# Altium PCB PCB4.PcbDoc (part 2 of 12)
Units mil, origin at the board's own origin, x right, y up, seen from the top; angles counter-clockwise.
Board outline 9204.7 x 4350.39 mil, 4 copper layers (Top Layer, Layer 1, Layer 2, Bottom Layer), stack 23.756 mil thick; 1824 components, 1732 nets, 6090 pads, 1022 vias.
Unrouted connection lines stored in the file: 2463.
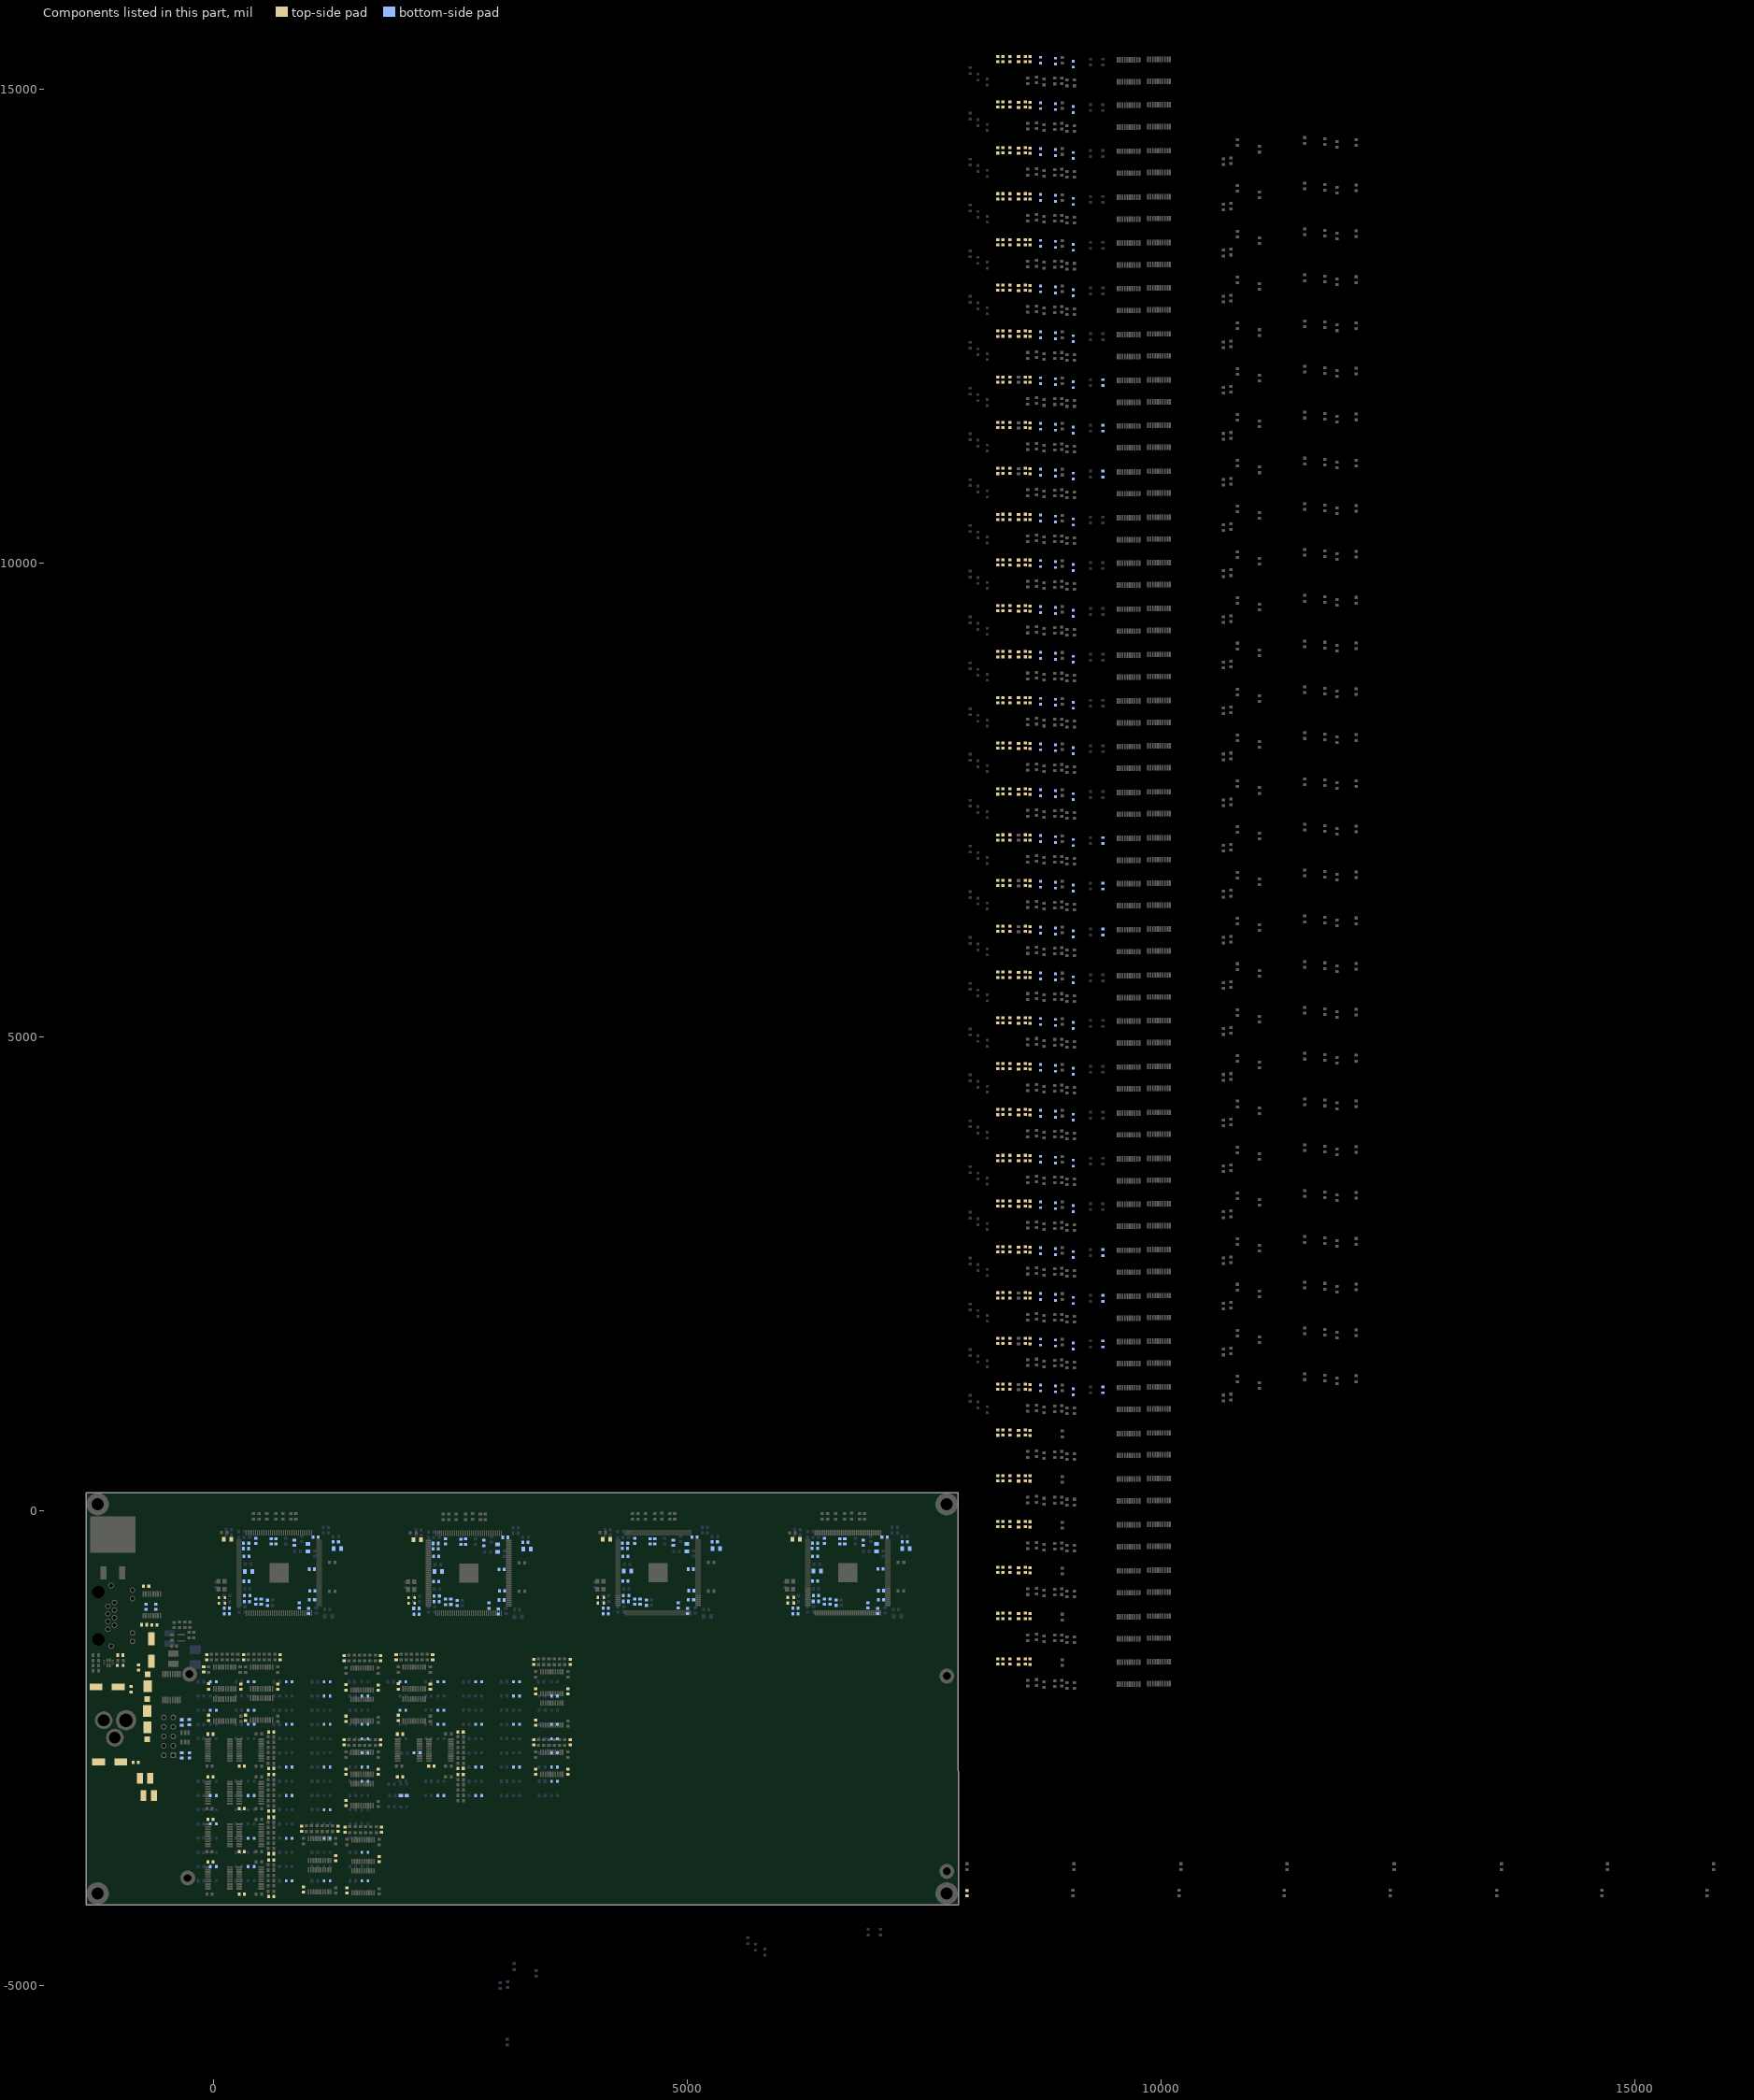
[diagram p4: the components of this part, seen from the top]

## Components (designator, comment, footprint, x,y, rotation, side; value= is the part's Value field where it differs from the comment) (continued)
C28_U_LED_BUFFER42 "0.1uF/16V" 0603C 8496.74,2758.56 r90 top (schematic designator C28)
C28_U_LED_BUFFER43 "0.1uF/16V" 0603C 8496.74,7589.26 r90 top (schematic designator C28)
C28_U_LED_BUFFER44 "0.1uF/16V" 0603C 8496.74,12419.96 r90 top (schematic designator C28)
C28_U_LED_BUFFER51 "0.1uF/16V" 0603C 8496.74,-1587.89 r90 top (schematic designator C28)
C28_U_LED_BUFFER52 "0.1uF/16V" 0603C 8496.74,3242.81 r90 top (schematic designator C28)
C28_U_LED_BUFFER53 "0.1uF/16V" 0603C 8496.74,8073.51 r90 top (schematic designator C28)
C28_U_LED_BUFFER54 "0.1uF/16V" 0603C 8496.74,12904.21 r90 top (schematic designator C28)
C28_U_LED_BUFFER61 "0.1uF/16V" 0603C 8496.74,-1107.58 r90 top (schematic designator C28)
C28_U_LED_BUFFER62 "0.1uF/16V" 0603C 8496.74,3723.12 r90 top (schematic designator C28)
C28_U_LED_BUFFER63 "0.1uF/16V" 0603C 8496.74,8553.82 r90 top (schematic designator C28)
C28_U_LED_BUFFER64 "0.1uF/16V" 0603C 8496.74,13384.52 r90 top (schematic designator C28)
C28_U_LED_BUFFER71 "0.1uF/16V" 0603C 8496.74,-623.32 r90 top (schematic designator C28)
C28_U_LED_BUFFER72 "0.1uF/16V" 0603C 8496.74,4207.38 r90 top (schematic designator C28)
C28_U_LED_BUFFER73 "0.1uF/16V" 0603C 8496.74,9038.07 r90 top (schematic designator C28)
C28_U_LED_BUFFER74 "0.1uF/16V" 0603C 8496.74,13868.77 r90 top (schematic designator C28)
C28_U_LED_BUFFER81 "0.1uF/16V" 0603C 8496.74,-139.07 r90 top (schematic designator C28)
C28_U_LED_BUFFER82 "0.1uF/16V" 0603C 8496.74,4691.63 r90 top (schematic designator C28)
C28_U_LED_BUFFER83 "0.1uF/16V" 0603C 8496.74,9522.32 r90 top (schematic designator C28)
C28_U_LED_BUFFER84 "0.1uF/16V" 0603C 8496.74,14353.02 r90 top (schematic designator C28)
C28_U_LED_BUFFER91 "0.1uF/16V" 0603C 8496.74,345.18 r90 top (schematic designator C28)
C28_U_LED_BUFFER92 "0.1uF/16V" 0603C 8496.74,5175.88 r90 top (schematic designator C28)
C28_U_LED_BUFFER93 "0.1uF/16V" 0603C 8496.74,10006.58 r90 top (schematic designator C28)
C28_U_LED_BUFFER94 "0.1uF/16V" 0603C 8496.74,14837.27 r90 top (schematic designator C28)
C28_U_LED_BUFFER101 "0.1uF/16V" 0603C 8496.74,825.49 r90 top (schematic designator C28)
C28_U_LED_BUFFER102 "0.1uF/16V" 0603C 8496.74,5656.19 r90 top (schematic designator C28)
C28_U_LED_BUFFER103 "0.1uF/16V" 0603C 8496.74,10486.89 r90 top (schematic designator C28)
C28_U_LED_BUFFER104 "0.1uF/16V" 0603C 8496.74,15317.59 r90 top (schematic designator C28)
C29 "22uF/25V" 1210C -681.5,-3000.6 r180 top
C30 "22uF/25V" 1210C -719.94,-2818.6 r180 top
C31_U_LED_BUFFER11 "0.1uF/16V" 0603C -101.36,-1670 r270 top (schematic designator C31)
C31_U_LED_BUFFER11_1 "0.1uF/16V" 0603C 2314.44,-1540 r270 top (schematic designator C31)
C31_U_LED_BUFFER12 "0.1uF/16V" 0603C 8569.32,1312.57 r90 top (schematic designator C31)
C31_U_LED_BUFFER13 "0.1uF/16V" 0603C 8569.32,6143.27 r90 top (schematic designator C31)
C31_U_LED_BUFFER14 "0.1uF/16V" 0603C 8569.32,10973.96 r90 top (schematic designator C31)
C31_U_LED_BUFFER21 "0.1uF/16V" 0603C 1764.44,-1550 r270 top (schematic designator C31)
C31_U_LED_BUFFER21_1 "0.1uF/16V" 0603C 3764.44,-1590 r270 top (schematic designator C31)
C31_U_LED_BUFFER22 "0.1uF/16V" 0603C 8569.32,1796.82 r90 top (schematic designator C31)
C31_U_LED_BUFFER23 "0.1uF/16V" 0603C 8569.32,6627.52 r90 top (schematic designator C31)
C31_U_LED_BUFFER24 "0.1uF/16V" 0603C 8569.32,11458.22 r90 top (schematic designator C31)
C31_U_LED_BUFFER31 "0.1uF/16V" 0603C 610,-2714.44 r180 top (schematic designator C31)
C31_U_LED_BUFFER31_1 "0.1uF/16V" 0603C 610,-3164.44 r180 top (schematic designator C31)
C31_U_LED_BUFFER31_2 "0.1uF/16V" 0603C 610,-3614.44 r180 top (schematic designator C31)
C31_U_LED_BUFFER31_3 "0.1uF/16V" 0603C 610,-4064.44 r180 top (schematic designator C31)
C31_U_LED_BUFFER31_4 "0.1uF/16V" 0603C 1774.44,-3360 r270 top (schematic designator C31)
C31_U_LED_BUFFER31_4_1 "0.1uF/16V" 0603C 1314.44,-3350 r270 top (schematic designator C31)
C31_U_LED_BUFFER31_4_2 "0.1uF/16V" 0603C 704.44,-1540 r270 top (schematic designator C31)
C31_U_LED_BUFFER31_6 "0.1uF/16V" 0603C 2610,-2714.44 r180 top (schematic designator C31)
C31_U_LED_BUFFER32 "0.1uF/16V" 0603C 8569.32,2277.13 r90 top (schematic designator C31)
C31_U_LED_BUFFER33 "0.1uF/16V" 0603C 8569.32,7107.83 r90 top (schematic designator C31)
C31_U_LED_BUFFER34 "0.1uF/16V" 0603C 8569.32,11938.53 r90 top (schematic designator C31)
C31_U_LED_BUFFER41 "0.1uF/16V" 0603C 1764.44,-2440 r270 top (schematic designator C31)
C31_U_LED_BUFFER41_1 "0.1uF/16V" 0603C 3764.44,-2440 r270 top (schematic designator C31)
C31_U_LED_BUFFER42 "0.1uF/16V" 0603C 8569.32,2761.38 r90 top (schematic designator C31)
C31_U_LED_BUFFER43 "0.1uF/16V" 0603C 8569.32,7592.08 r90 top (schematic designator C31)
C31_U_LED_BUFFER44 "0.1uF/16V" 0603C 8569.32,12422.78 r90 top (schematic designator C31)
C31_U_LED_BUFFER51 "0.1uF/16V" 0603C 8569.32,-1585.07 r90 top (schematic designator C31)
C31_U_LED_BUFFER52 "0.1uF/16V" 0603C 8569.32,3245.63 r90 top (schematic designator C31)
C31_U_LED_BUFFER53 "0.1uF/16V" 0603C 8569.32,8076.33 r90 top (schematic designator C31)
C31_U_LED_BUFFER54 "0.1uF/16V" 0603C 8569.32,12907.03 r90 top (schematic designator C31)
C31_U_LED_BUFFER61 "0.1uF/16V" 0603C 8569.32,-1104.75 r90 top (schematic designator C31)
C31_U_LED_BUFFER62 "0.1uF/16V" 0603C 8569.32,3725.95 r90 top (schematic designator C31)
C31_U_LED_BUFFER63 "0.1uF/16V" 0603C 8569.32,8556.65 r90 top (schematic designator C31)
C31_U_LED_BUFFER64 "0.1uF/16V" 0603C 8569.32,13387.35 r90 top (schematic designator C31)
C31_U_LED_BUFFER71 "0.1uF/16V" 0603C 8569.32,-620.5 r90 top (schematic designator C31)
C31_U_LED_BUFFER72 "0.1uF/16V" 0603C 8569.32,4210.2 r90 top (schematic designator C31)
C31_U_LED_BUFFER73 "0.1uF/16V" 0603C 8569.32,9040.9 r90 top (schematic designator C31)
C31_U_LED_BUFFER74 "0.1uF/16V" 0603C 8569.32,13871.6 r90 top (schematic designator C31)
C31_U_LED_BUFFER81 "0.1uF/16V" 0603C 8569.32,-136.25 r90 top (schematic designator C31)
C31_U_LED_BUFFER82 "0.1uF/16V" 0603C 8569.32,4694.45 r90 top (schematic designator C31)
C31_U_LED_BUFFER83 "0.1uF/16V" 0603C 8569.32,9525.15 r90 top (schematic designator C31)
C31_U_LED_BUFFER84 "0.1uF/16V" 0603C 8569.32,14355.85 r90 top (schematic designator C31)
C31_U_LED_BUFFER91 "0.1uF/16V" 0603C 8569.32,348 r90 top (schematic designator C31)
C31_U_LED_BUFFER92 "0.1uF/16V" 0603C 8569.32,5178.7 r90 top (schematic designator C31)
C31_U_LED_BUFFER93 "0.1uF/16V" 0603C 8569.32,10009.4 r90 top (schematic designator C31)
C31_U_LED_BUFFER94 "0.1uF/16V" 0603C 8569.32,14840.1 r90 top (schematic designator C31)
C31_U_LED_BUFFER101 "0.1uF/16V" 0603C 8569.32,828.32 r90 top (schematic designator C31)
C31_U_LED_BUFFER102 "0.1uF/16V" 0603C 8569.32,5659.01 r90 top (schematic designator C31)
C31_U_LED_BUFFER103 "0.1uF/16V" 0603C 8569.32,10489.71 r90 top (schematic designator C31)
C31_U_LED_BUFFER104 "0.1uF/16V" 0603C 8569.32,15320.41 r90 top (schematic designator C31)
C32_U_LED_BUFFER11 "0.1uF/16V" 0603C -48.36,-1849.25 r270 top (schematic designator C32)
C32_U_LED_BUFFER11_1 "0.1uF/16V" 0603C 1951.64,-1849.25 r270 top (schematic designator C32)
C32_U_LED_BUFFER12 "0.1uF/16V" 0603C 8616.74,1309.74 r90 top (schematic designator C32)
C32_U_LED_BUFFER13 "0.1uF/16V" 0603C 8616.74,6140.44 r90 top (schematic designator C32)
C32_U_LED_BUFFER14 "0.1uF/16V" 0603C 8616.74,10971.14 r90 top (schematic designator C32)
C32_U_LED_BUFFER21 "0.1uF/16V" 0603C 1401.64,-1859.25 r270 top (schematic designator C32)
C32_U_LED_BUFFER21_1 "0.1uF/16V" 0603C 3401.64,-1899.25 r270 top (schematic designator C32)
C32_U_LED_BUFFER22 "0.1uF/16V" 0603C 8616.74,1793.99 r90 top (schematic designator C32)
C32_U_LED_BUFFER23 "0.1uF/16V" 0603C 8616.74,6624.69 r90 top (schematic designator C32)
C32_U_LED_BUFFER24 "0.1uF/16V" 0603C 8616.74,11455.39 r90 top (schematic designator C32)
C32_U_LED_BUFFER31 "0.1uF/16V" 0603C 7950,-4030 r90 top (schematic designator C32)
C32_U_LED_BUFFER32 "0.1uF/16V" 0603C 8616.74,2274.31 r90 top (schematic designator C32)
C32_U_LED_BUFFER33 "0.1uF/16V" 0603C 8616.74,7105.01 r90 top (schematic designator C32)
C32_U_LED_BUFFER34 "0.1uF/16V" 0603C 8616.74,11935.71 r90 top (schematic designator C32)
C32_U_LED_BUFFER41 "0.1uF/16V" 0603C 1401.64,-2749.25 r270 top (schematic designator C32)
C32_U_LED_BUFFER41_1 "0.1uF/16V" 0603C 3401.64,-2749.25 r270 top (schematic designator C32)
C32_U_LED_BUFFER42 "0.1uF/16V" 0603C 8616.74,2758.56 r90 top (schematic designator C32)
C32_U_LED_BUFFER43 "0.1uF/16V" 0603C 8616.74,7589.26 r90 top (schematic designator C32)
C32_U_LED_BUFFER44 "0.1uF/16V" 0603C 8616.74,12419.96 r90 top (schematic designator C32)
C32_U_LED_BUFFER51 "0.1uF/16V" 0603C 8616.74,-1587.89 r90 top (schematic designator C32)
C32_U_LED_BUFFER52 "0.1uF/16V" 0603C 8616.74,3242.81 r90 top (schematic designator C32)
C32_U_LED_BUFFER53 "0.1uF/16V" 0603C 8616.74,8073.51 r90 top (schematic designator C32)
C32_U_LED_BUFFER54 "0.1uF/16V" 0603C 8616.74,12904.21 r90 top (schematic designator C32)
C32_U_LED_BUFFER61 "0.1uF/16V" 0603C 8616.74,-1107.58 r90 top (schematic designator C32)
C32_U_LED_BUFFER62 "0.1uF/16V" 0603C 8616.74,3723.12 r90 top (schematic designator C32)
C32_U_LED_BUFFER63 "0.1uF/16V" 0603C 8616.74,8553.82 r90 top (schematic designator C32)
C32_U_LED_BUFFER64 "0.1uF/16V" 0603C 8616.74,13384.52 r90 top (schematic designator C32)
C32_U_LED_BUFFER71 "0.1uF/16V" 0603C 8616.74,-623.32 r90 top (schematic designator C32)
C32_U_LED_BUFFER72 "0.1uF/16V" 0603C 8616.74,4207.38 r90 top (schematic designator C32)
C32_U_LED_BUFFER73 "0.1uF/16V" 0603C 8616.74,9038.07 r90 top (schematic designator C32)
C32_U_LED_BUFFER74 "0.1uF/16V" 0603C 8616.74,13868.77 r90 top (schematic designator C32)
C32_U_LED_BUFFER81 "0.1uF/16V" 0603C 8616.74,-139.07 r90 top (schematic designator C32)
C32_U_LED_BUFFER82 "0.1uF/16V" 0603C 8616.74,4691.63 r90 top (schematic designator C32)
C32_U_LED_BUFFER83 "0.1uF/16V" 0603C 8616.74,9522.32 r90 top (schematic designator C32)
C32_U_LED_BUFFER84 "0.1uF/16V" 0603C 8616.74,14353.02 r90 top (schematic designator C32)
C32_U_LED_BUFFER91 "0.1uF/16V" 0603C 8616.74,345.18 r90 top (schematic designator C32)
C32_U_LED_BUFFER92 "0.1uF/16V" 0603C 8616.74,5175.88 r90 top (schematic designator C32)
C32_U_LED_BUFFER93 "0.1uF/16V" 0603C 8616.74,10006.58 r90 top (schematic designator C32)
C32_U_LED_BUFFER94 "0.1uF/16V" 0603C 8616.74,14837.27 r90 top (schematic designator C32)
C32_U_LED_BUFFER101 "0.1uF/16V" 0603C 8616.74,825.49 r90 top (schematic designator C32)
C32_U_LED_BUFFER102 "0.1uF/16V" 0603C 8616.74,5656.19 r90 top (schematic designator C32)
C32_U_LED_BUFFER103 "0.1uF/16V" 0603C 8616.74,10486.89 r90 top (schematic designator C32)
C32_U_LED_BUFFER104 "0.1uF/16V" 0603C 8616.74,15317.59 r90 top (schematic designator C32)
C33_U_LED_BUFFER11 "1uF/16V" 0603C -70,-1540 r270 top (schematic designator C33)
C33_U_LED_BUFFER11_1 "1uF/16V" 0603C 1930,-1540 r270 top (schematic designator C33)
C33_U_LED_BUFFER12 "1uF/16V" 0603C 8330.11,1312.57 r90 top (schematic designator C33)
C33_U_LED_BUFFER13 "1uF/16V" 0603C 8330.11,6143.27 r90 top (schematic designator C33)
C33_U_LED_BUFFER14 "1uF/16V" 0603C 8330.11,10973.96 r90 top (schematic designator C33)
C33_U_LED_BUFFER21 "1uF/16V" 0603C 1380,-1550 r270 top (schematic designator C33)
C33_U_LED_BUFFER21_1 "1uF/16V" 0603C 3380,-1590 r270 top (schematic designator C33)
C33_U_LED_BUFFER22 "1uF/16V" 0603C 8330.11,1796.82 r90 top (schematic designator C33)
C33_U_LED_BUFFER23 "1uF/16V" 0603C 8330.11,6627.52 r90 top (schematic designator C33)
C33_U_LED_BUFFER24 "1uF/16V" 0603C 8330.11,11458.22 r90 top (schematic designator C33)
C33_U_LED_BUFFER31 "1uF/16V" 0603C 610,-2330 r180 top (schematic designator C33)
C33_U_LED_BUFFER31_1 "1uF/16V" 0603C 610,-2780 r180 top (schematic designator C33)
C33_U_LED_BUFFER31_1_1 "1uF/16V" 0603C 2610,-2780 r180 top (schematic designator C33)
C33_U_LED_BUFFER31_2 "1uF/16V" 0603C 610,-3230 r180 top (schematic designator C33)
C33_U_LED_BUFFER31_3 "1uF/16V" 0603C 610,-3680 r180 top (schematic designator C33)
C33_U_LED_BUFFER31_4 "1uF/16V" 0603C 1390,-3360 r270 top (schematic designator C33)
C33_U_LED_BUFFER31_4_1 "1uF/16V" 0603C 930,-3350 r270 top (schematic designator C33)
C33_U_LED_BUFFER31_4_2 "1uF/16V" 0603C 320,-1540 r270 top (schematic designator C33)
C33_U_LED_BUFFER31_6 "1uF/16V" 0603C 2610,-2330 r180 top (schematic designator C33)
C33_U_LED_BUFFER32 "1uF/16V" 0603C 8330.11,2277.13 r90 top (schematic designator C33)
C33_U_LED_BUFFER33 "1uF/16V" 0603C 8330.11,7107.83 r90 top (schematic designator C33)
C33_U_LED_BUFFER34 "1uF/16V" 0603C 8330.11,11938.53 r90 top (schematic designator C33)
C33_U_LED_BUFFER41 "1uF/16V" 0603C 1380,-2440 r270 top (schematic designator C33)
C33_U_LED_BUFFER41_1 "1uF/16V" 0603C 3380,-2440 r270 top (schematic designator C33)
C33_U_LED_BUFFER42 "1uF/16V" 0603C 8330.11,2761.38 r90 top (schematic designator C33)
C33_U_LED_BUFFER43 "1uF/16V" 0603C 8330.11,7592.08 r90 top (schematic designator C33)
C33_U_LED_BUFFER44 "1uF/16V" 0603C 8330.11,12422.78 r90 top (schematic designator C33)
C33_U_LED_BUFFER51 "1uF/16V" 0603C 8330.11,-1585.07 r90 top (schematic designator C33)
C33_U_LED_BUFFER52 "1uF/16V" 0603C 8330.11,3245.63 r90 top (schematic designator C33)
C33_U_LED_BUFFER53 "1uF/16V" 0603C 8330.11,8076.33 r90 top (schematic designator C33)
C33_U_LED_BUFFER54 "1uF/16V" 0603C 8330.11,12907.03 r90 top (schematic designator C33)
C33_U_LED_BUFFER61 "1uF/16V" 0603C 8330.11,-1104.75 r90 top (schematic designator C33)
C33_U_LED_BUFFER62 "1uF/16V" 0603C 8330.11,3725.95 r90 top (schematic designator C33)
C33_U_LED_BUFFER63 "1uF/16V" 0603C 8330.11,8556.65 r90 top (schematic designator C33)
C33_U_LED_BUFFER64 "1uF/16V" 0603C 8330.11,13387.35 r90 top (schematic designator C33)
C33_U_LED_BUFFER71 "1uF/16V" 0603C 8330.11,-620.5 r90 top (schematic designator C33)
C33_U_LED_BUFFER72 "1uF/16V" 0603C 8330.11,4210.2 r90 top (schematic designator C33)
C33_U_LED_BUFFER73 "1uF/16V" 0603C 8330.11,9040.9 r90 top (schematic designator C33)
C33_U_LED_BUFFER74 "1uF/16V" 0603C 8330.11,13871.6 r90 top (schematic designator C33)
C33_U_LED_BUFFER81 "1uF/16V" 0603C 8330.11,-136.25 r90 top (schematic designator C33)
C33_U_LED_BUFFER82 "1uF/16V" 0603C 8330.11,4694.45 r90 top (schematic designator C33)
C33_U_LED_BUFFER83 "1uF/16V" 0603C 8330.11,9525.15 r90 top (schematic designator C33)
C33_U_LED_BUFFER84 "1uF/16V" 0603C 8330.11,14355.85 r90 top (schematic designator C33)
C33_U_LED_BUFFER91 "1uF/16V" 0603C 8330.11,348 r90 top (schematic designator C33)
C33_U_LED_BUFFER92 "1uF/16V" 0603C 8330.11,5178.7 r90 top (schematic designator C33)
C33_U_LED_BUFFER93 "1uF/16V" 0603C 8330.11,10009.4 r90 top (schematic designator C33)
C33_U_LED_BUFFER94 "1uF/16V" 0603C 8330.11,14840.1 r90 top (schematic designator C33)
C33_U_LED_BUFFER101 "1uF/16V" 0603C 8330.11,828.32 r90 top (schematic designator C33)
C33_U_LED_BUFFER102 "1uF/16V" 0603C 8330.11,5659.01 r90 top (schematic designator C33)
C33_U_LED_BUFFER103 "1uF/16V" 0603C 8330.11,10489.71 r90 top (schematic designator C33)
C33_U_LED_BUFFER104 "1uF/16V" 0603C 8330.11,15320.41 r90 top (schematic designator C33)
C34_U_LED_BUFFER11 "1uF/16V" 0603C 290,-1850 r270 top (schematic designator C34)
C34_U_LED_BUFFER11_1 "1uF/16V" 0603C 2290,-1850 r270 top (schematic designator C34)
C34_U_LED_BUFFER12 "1uF/16V" 0603C 8406.74,1312.57 r90 top (schematic designator C34)
C34_U_LED_BUFFER13 "1uF/16V" 0603C 8406.74,6143.27 r90 top (schematic designator C34)
C34_U_LED_BUFFER14 "1uF/16V" 0603C 8406.74,10973.96 r90 top (schematic designator C34)
C34_U_LED_BUFFER21 "1uF/16V" 0603C 1740,-1860 r270 top (schematic designator C34)
C34_U_LED_BUFFER21_1 "1uF/16V" 0603C 3740,-1900 r270 top (schematic designator C34)
C34_U_LED_BUFFER22 "1uF/16V" 0603C 8406.74,1796.82 r90 top (schematic designator C34)
C34_U_LED_BUFFER23 "1uF/16V" 0603C 8406.74,6627.52 r90 top (schematic designator C34)
C34_U_LED_BUFFER24 "1uF/16V" 0603C 8406.74,11458.22 r90 top (schematic designator C34)
C34_U_LED_BUFFER31 "1uF/16V" 0603C 300,-2690 r180 top (schematic designator C34)
C34_U_LED_BUFFER31_1 "1uF/16V" 0603C 300,-3140 r180 top (schematic designator C34)
C34_U_LED_BUFFER31_2 "1uF/16V" 0603C 300,-3590 r180 top (schematic designator C34)
C34_U_LED_BUFFER31_3 "1uF/16V" 0603C 300,-4040 r180 top (schematic designator C34)
C34_U_LED_BUFFER31_4 "1uF/16V" 0603C 1750,-3670 r270 top (schematic designator C34)
C34_U_LED_BUFFER31_4_1 "1uF/16V" 0603C 1290,-3660 r270 top (schematic designator C34)
C34_U_LED_BUFFER31_4_2 "1uF/16V" 0603C 680,-1850 r270 top (schematic designator C34)
C34_U_LED_BUFFER31_6 "1uF/16V" 0603C 2300,-2690 r180 top (schematic designator C34)
C34_U_LED_BUFFER32 "1uF/16V" 0603C 8406.74,2277.13 r90 top (schematic designator C34)
C34_U_LED_BUFFER33 "1uF/16V" 0603C 8406.74,7107.83 r90 top (schematic designator C34)
C34_U_LED_BUFFER34 "1uF/16V" 0603C 8406.74,11938.53 r90 top (schematic designator C34)
C34_U_LED_BUFFER41 "1uF/16V" 0603C 1740,-2750 r270 top (schematic designator C34)
C34_U_LED_BUFFER41_1 "1uF/16V" 0603C 3740,-2750 r270 top (schematic designator C34)
C34_U_LED_BUFFER42 "1uF/16V" 0603C 8406.74,2761.38 r90 top (schematic designator C34)
C34_U_LED_BUFFER43 "1uF/16V" 0603C 8406.74,7592.08 r90 top (schematic designator C34)
C34_U_LED_BUFFER44 "1uF/16V" 0603C 8406.74,12422.78 r90 top (schematic designator C34)
C34_U_LED_BUFFER51 "1uF/16V" 0603C 8406.74,-1585.07 r90 top (schematic designator C34)
C34_U_LED_BUFFER52 "1uF/16V" 0603C 8406.74,3245.63 r90 top (schematic designator C34)
C34_U_LED_BUFFER53 "1uF/16V" 0603C 8406.74,8076.33 r90 top (schematic designator C34)
C34_U_LED_BUFFER54 "1uF/16V" 0603C 8406.74,12907.03 r90 top (schematic designator C34)
C34_U_LED_BUFFER61 "1uF/16V" 0603C 8406.74,-1104.75 r90 top (schematic designator C34)
C34_U_LED_BUFFER62 "1uF/16V" 0603C 8406.74,3725.95 r90 top (schematic designator C34)
C34_U_LED_BUFFER63 "1uF/16V" 0603C 8406.74,8556.65 r90 top (schematic designator C34)
C34_U_LED_BUFFER64 "1uF/16V" 0603C 8406.74,13387.35 r90 top (schematic designator C34)
C34_U_LED_BUFFER71 "1uF/16V" 0603C 8406.74,-620.5 r90 top (schematic designator C34)
C34_U_LED_BUFFER72 "1uF/16V" 0603C 8406.74,4210.2 r90 top (schematic designator C34)
C34_U_LED_BUFFER73 "1uF/16V" 0603C 8406.74,9040.9 r90 top (schematic designator C34)
C34_U_LED_BUFFER74 "1uF/16V" 0603C 8406.74,13871.6 r90 top (schematic designator C34)
C34_U_LED_BUFFER81 "1uF/16V" 0603C 8406.74,-136.25 r90 top (schematic designator C34)
C34_U_LED_BUFFER82 "1uF/16V" 0603C 8406.74,4694.45 r90 top (schematic designator C34)
C34_U_LED_BUFFER83 "1uF/16V" 0603C 8406.74,9525.15 r90 top (schematic designator C34)
C34_U_LED_BUFFER84 "1uF/16V" 0603C 8406.74,14355.85 r90 top (schematic designator C34)
C34_U_LED_BUFFER91 "1uF/16V" 0603C 8406.74,348 r90 top (schematic designator C34)
C34_U_LED_BUFFER92 "1uF/16V" 0603C 8406.74,5178.7 r90 top (schematic designator C34)
C34_U_LED_BUFFER93 "1uF/16V" 0603C 8406.74,10009.4 r90 top (schematic designator C34)
C34_U_LED_BUFFER94 "1uF/16V" 0603C 8406.74,14840.1 r90 top (schematic designator C34)
C34_U_LED_BUFFER101 "1uF/16V" 0603C 8406.74,828.32 r90 top (schematic designator C34)
C34_U_LED_BUFFER102 "1uF/16V" 0603C 8406.74,5659.01 r90 top (schematic designator C34)
C34_U_LED_BUFFER103 "1uF/16V" 0603C 8406.74,10489.71 r90 top (schematic designator C34)
C34_U_LED_BUFFER104 "1uF/16V" 0603C 8406.74,15320.41 r90 top (schematic designator C34)
C35_U_LED_BUFFER11 "1uF/16V" 0603C -48.36,-2180 r90 top (schematic designator C35)
C35_U_LED_BUFFER11_1 "1uF/16V" 0603C 1951.64,-2180 r90 top (schematic designator C35)
C35_U_LED_BUFFER12 "1uF/16V" 0603C 8276.74,1312.18 r90 top (schematic designator C35)
C35_U_LED_BUFFER13 "1uF/16V" 0603C 8276.74,6142.88 r90 top (schematic designator C35)
C35_U_LED_BUFFER14 "1uF/16V" 0603C 8276.74,10973.58 r90 top (schematic designator C35)
C35_U_LED_BUFFER21 "1uF/16V" 0603C 1401.64,-2190 r90 top (schematic designator C35)
C35_U_LED_BUFFER21_1 "1uF/16V" 0603C 3401.64,-2230 r90 top (schematic designator C35)
C35_U_LED_BUFFER22 "1uF/16V" 0603C 8276.74,1796.43 r90 top (schematic designator C35)
C35_U_LED_BUFFER23 "1uF/16V" 0603C 8276.74,6627.13 r90 top (schematic designator C35)
C35_U_LED_BUFFER24 "1uF/16V" 0603C 8276.74,11457.83 r90 top (schematic designator C35)
C35_U_LED_BUFFER31 "1uF/16V" 0603C -30,-2351.64 r0 top (schematic designator C35)